# Altium PCB ETRX_Shield_III.PcbDoc (part 2 of 2)
Units mm, origin at the board's own origin, x right, y up, seen from the top; angles counter-clockwise.
Board outline 70 x 55 mm, 4 copper layers (Top Layer, GND1, PWR1, Bottom Layer), stack 1.306 mm thick; 113 components, 118 nets, 458 pads, 149 vias.
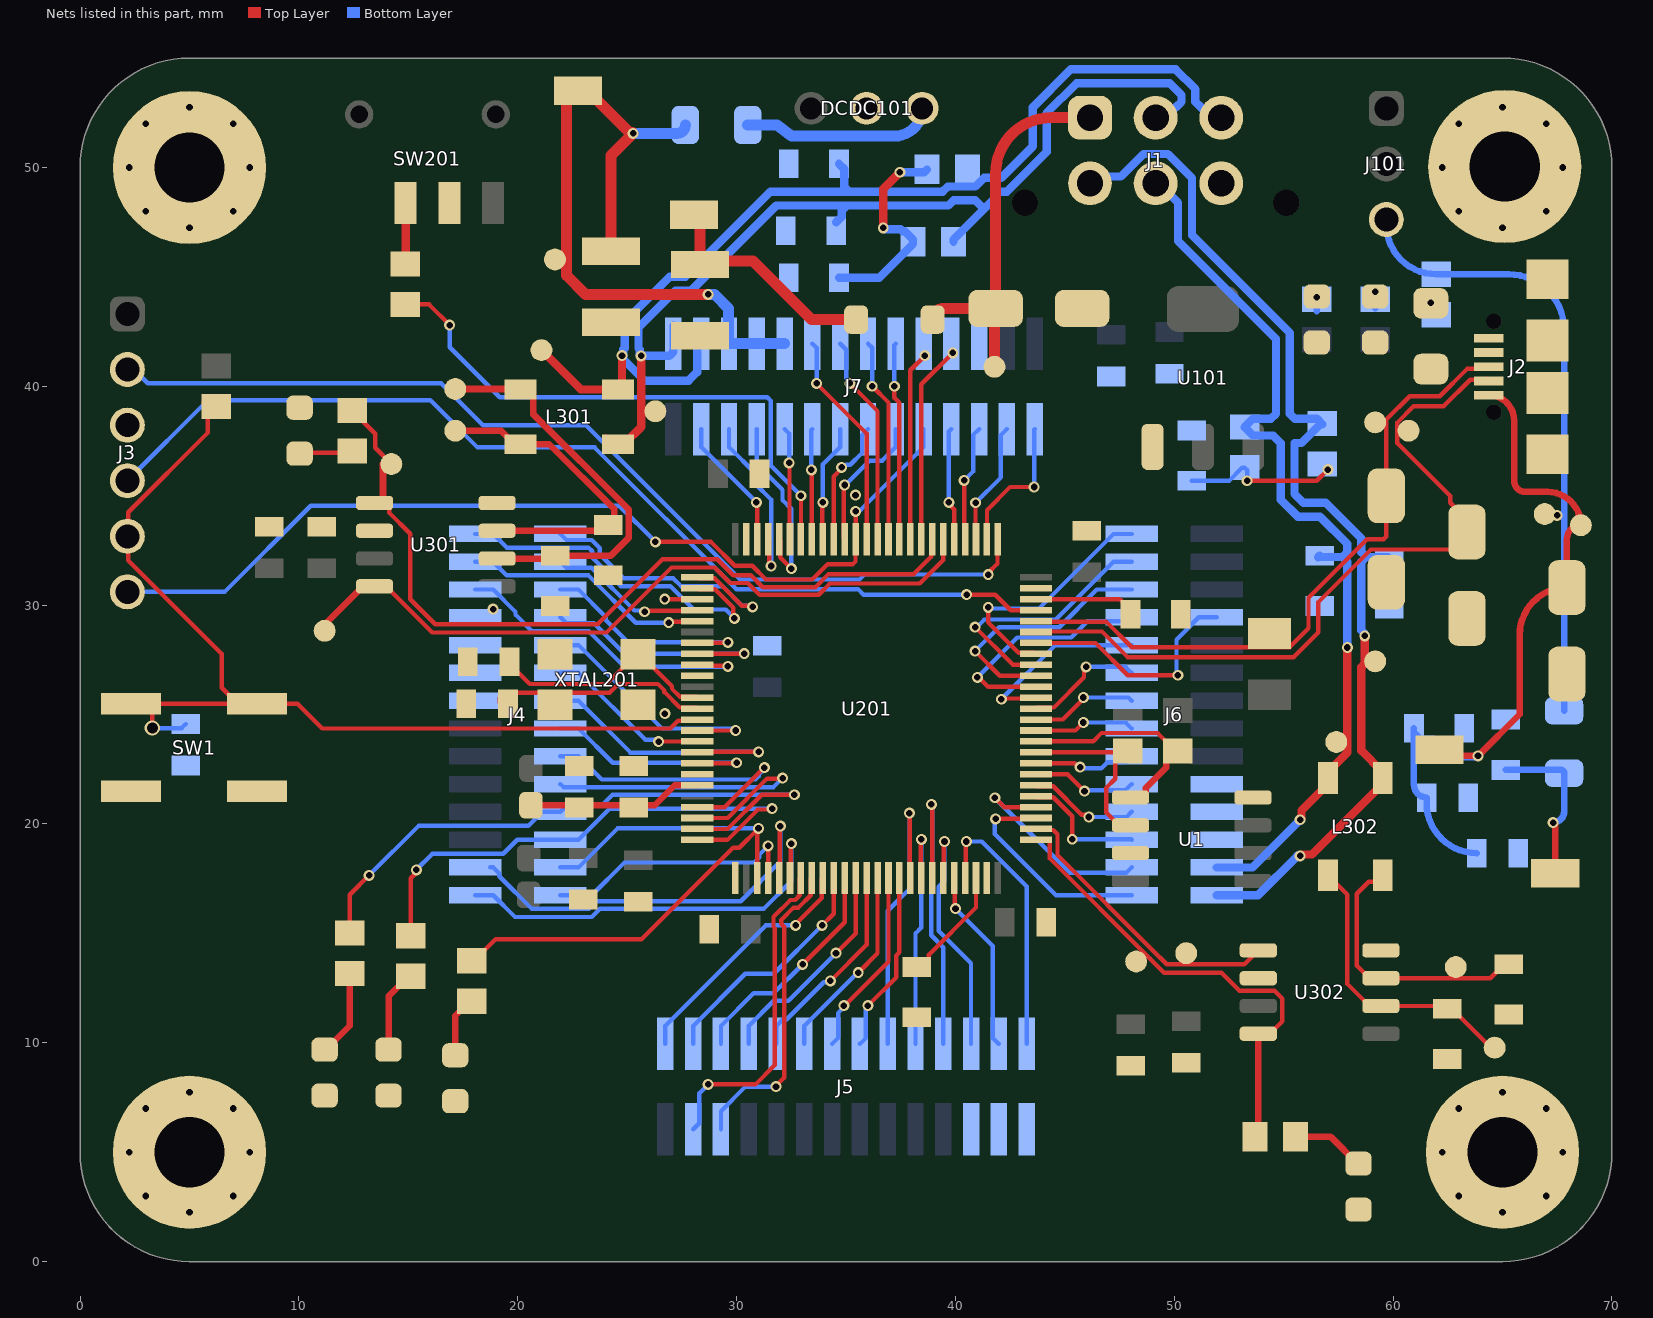
[diagram p4: the nets of this part, all layers, seen from the top]

## Via types
v1: diameter 0.5, hole 0.3, Top Layer to Bottom Layer, 148 vias
v2: diameter 0.7, hole 0.5, Top Layer to Bottom Layer, 1 vias

## Nets (pads, with @x,y where several pads share a name; then routed paths per layer and width w, separated by ;. In a path a pad name is that pad's centre, name@x,y a point inside that pad or via, vN(x,y) a via of type N, cw(c..) or ccw(c..) an arc to the next point about the centre after c; other vN are vias at no path point) (continued)
CAN1_H: C303.1 J1.2 J7.1 L301.4 R301.2 TP302.1 | length 45.4
  Top Layer w0.381: L301.4@24.042,37.618 24.302,37.358 L301.4@24.577,37.358 24.852,37.358 25.642,38.149 25.642,41.387 v1(25.634,41.396)
  Bottom Layer w0.381: J7.1@27.114,42.775 J7.1@27.114,41.95 27.114,41.58 26.93,41.396 v1(25.634,41.396) 25.573,41.457 25.573,41.682 25.517,41.738 25.517,42.682 27.21,44.375 27.928,44.375 31.813,48.261 35.034,48.261 ; C303.1@34.551,47.498 34.811,47.758 34.811,48.037 35.034,48.261 ; R301.2@39.914,46.609 39.914,46.709 41.306,48.101 ; J1.2@49.149,52.276 49.587,52.276 50.088,52.777 50.108,52.777 50.331,53 50.331,53.316 49.8,53.847 45.532,53.847 44.169,52.485 44.169,50.706 42.358,48.895 41.851,48.895 41.851,48.646 41.306,48.101 ; 35.034,48.261 39.678,48.261 39.916,48.498 40.91,48.498 41.306,48.101
CAN1_L: C304.1 J1.3 J7.3 L301.1 R302.2 TP304.1 | length 48.8
  Top Layer w0.381: TP304.1@21.138,41.656 TP304.1@21.082,41.656 22.88,39.858 L301.1@24.577,39.858 24.765,40.046 v1(24.765,41.402)
  Bottom Layer w0.381: J7.3@28.384,41.95 28.2,41.765 28.2,40.646 27.813,40.259 25.794,40.259 24.826,41.227 24.826,41.341 v1(24.765,41.402) 24.826,41.463 24.826,41.689 24.882,41.745 24.882,42.945 26.947,45.01 27.665,45.01 31.55,48.896 35.143,48.896 ; C304.1@34.678,50.165 34.92,49.923 34.92,49.119 35.143,48.896 ; J1.3@52.149,52.276 51.711,52.276 51.21,52.777 51.19,52.777 50.966,53 50.966,53.579 50.063,54.482 45.269,54.482 43.534,52.748 43.534,50.969 42.095,49.53 41.306,49.53 40.91,49.133 39.653,49.133 39.415,48.896 35.143,48.896
CAN1_RX: TP310.1 U201.81 U301.4 | length 33.5
  Top Layer w0.2: U301.4@13.981,30.861 16.091,28.751 24.053,28.751 27.025,31.723 28.998,31.723 29.708,31.013 30.511,31.013 31.05,30.473 33.749,30.473 34.264,30.988 38.366,30.988 39.441,32.063 U201.81@39.441,33.011
  Top Layer w0.3: TP310.1@11.176,28.829 11.31,28.963 11.31,29.24 12.931,30.861 U301.4@13.456,30.861 U301.4@13.981,30.861
CAN1_TX: R305.1 TP309.1 U201.82 U301.1 | length 37.9
  Top Layer w0.2: R305.1@12.319,38.898 12.419,38.898 13.482,37.835 13.482,37.191 TP309.1@14.224,36.449 ; U301.1@13.669,34.671 13.901,34.671 14.121,34.451 14.121,34.232 15.085,33.268 15.085,30.27 16.228,29.126 23.642,29.126 26.614,32.098 29.118,32.098 29.853,31.363 30.656,31.363 31.195,30.823 33.604,30.823 34.202,31.421 38.092,31.421 38.891,32.22 38.891,32.961 U201.82@38.941,33.011
  Top Layer w0.3: U301.1@13.456,34.671 13.669,34.671 13.843,34.845 TP309.1@13.843,36.461
CAN2_H: C308.1 J1.4 J6.27 L302.4 R303.2 TP306.1 | length 50.5
  Top Layer w0.381: v1(55.753,18.542) 55.814,18.603 56.298,18.603 59.523,21.828 L302.4@59.523,22.103 59.523,22.378 58.547,23.354 58.547,27.178 58.706,27.337 v1(58.706,28.596)
  Bottom Layer w0.381: J1.4@46.149,49.276 46.459,49.586 47.563,49.586 48.594,50.617 49.704,50.617 50.808,49.512 50.808,46.908 55.282,42.434 55.282,38.744 55.505,38.52 56.511,38.52 56.769,38.263 56.669,38.263 55.814,37.408 55.499,37.408 55.499,35.086 55.908,34.677 56.925,34.677 58.547,33.055 58.547,32.425 58.77,32.202 ; J6.27@51.95,16.745 53.829,16.745 55.626,18.542 v1(55.753,18.542) ; v1(58.706,28.596) 58.706,28.682 58.547,28.841 58.547,31.978 58.77,32.202 ; C308.1@59.817,32.138 59.753,32.202 58.77,32.202
CAN2_L: C309.1 J1.5 J6.25 L302.1 R304.2 TP308.1 | length 42.6
  Top Layer w0.3: L302.1@57.023,21.828 L302.1@57.023,22.103
  Top Layer w0.381: v1(55.753,20.193) 55.814,20.254 55.814,20.619 L302.1@57.023,21.828 ; L302.1@57.023,22.103 57.023,22.378 57.912,23.267 57.912,27.178 v1(57.912,28.067)
  Bottom Layer w0.381: J1.5@49.149,49.276 49.291,49.276 50.173,48.394 50.173,46.645 54.647,42.171 54.647,38.744 54.424,38.52 53.598,38.52 R304.2@53.213,38.136 53.598,37.751 54.521,37.751 54.864,37.408 54.864,34.823 55.645,34.042 56.662,34.042 57.912,32.792 57.912,32.425 57.689,32.202 ; J6.25@51.95,18.015 53.575,18.015 v1(55.753,20.193) ; C309.1@56.566,32.189 C309.1@56.642,32.265 56.706,32.202 57.689,32.202 ; v1(57.912,28.067) 57.912,31.978 57.689,32.202
CAN2_RX: R306.1 TP312.1 U201.51 U302.4 | length 21.9
  Top Layer w0.2: U201.51@43.679,19.273 44.267,19.273 44.317,19.223 44.317,18.421 48.895,13.843 49.536,13.202 52.161,13.202 52.984,12.379 54.58,12.379 54.942,12.017 54.942,10.989 54.367,10.414 U302.4@53.842,10.414 ; TP312.1@48.26,13.635 TP312.1@48.26,13.716
  Top Layer w0.3: R306.1@53.685,5.715 53.842,5.872 U302.4@53.842,10.414
CAN2_TX: TP311.1 U201.52 U302.1 | length 13.5
  Top Layer w0.2: U201.52@43.679,19.773 43.729,19.723 44.47,19.723 44.667,19.527 44.667,18.58 49.149,14.097 49.476,13.77 49.657,13.589 53.207,13.589 U302.1@53.842,14.224
GND: C2.2 C101.2 C102.2 C104.2 C105.1 C106.2 C107.2 C108.2 C109.2 C201.2 C202.2 C203.1 C204.1 C205.2 C206.2 C207.2 C208.2 C209.2 C225.2 C226.2 C227.2 C228.2 C301.2 C302.1 C303.2 C304.2 C305.1 C306.2 C307.1 C308.2 C309.2 C310.1 C311.2 C312.2 C313.2 C314.2 D101.1 D103.K D104.K D105.K D106.2 D201.2 D202.2 D205.K D206.K D207.K D301.K D302.K DCDC101.2 J1.6 J2.4 J2.5 J2.Shell J3.3 J4.15 J4.17 J4.19 J4.21 J5.24 J5.26 J5.28 J6.19 J6.21 J6.23 J7.23 MH1.1 MH2.1 MH3.1 MH4.1 SW1.B1 SW1.B2 SW201.L2 U1.4 U1.7 U101.1 U201.10 U201.19 U201.26 U201.49 U201.74 U201.99 U301.2 U301.8 U302.2 U302.8 XTAL201.2 XTAL201.4 | length 0.2
  Top Layer w0.3: C207.2@31.05,35.8 C207.2@31.05,36
  other v1: 5,2.25 65,2.25 3,3 7,3 63,3 67,3 2.25,5 7.75,5 62.25,5 67.75,5 3,7 7,7 63,7 67,7 5,7.75 65,7.75 26.721,25.044 18.872,29.82 35.433,35.027 5,47.25 65,47.25 3,48 7,48 63,48 67,48 2.25,50 7.75,50 62.25,50 67.75,50 3,52 7,52 63,52 67,52 5,52.75 65,52.75
LED_PA2: J4.8 R210.2 U201.24 | length 29
  Top Layer w0.2: R210.2@12.319,15.022 12.319,16.764 v1(13.208,17.653) ; U201.24@28.203,19.773 29.586,19.773 31.149,21.336 v1(32.639,21.336)
  Bottom Layer w0.2: v1(13.208,17.653) 15.469,19.914 20.484,19.914 21.125,20.555 J4.8@21.95,20.555 22.225,20.83 23.825,20.83 24.331,21.336 v1(32.639,21.336)
LED_PA3: J4.6 R208.2 U201.25 | length 24.5
  Top Layer w0.2: R208.2@15.113,14.895 15.113,17.518 15.367,17.772 v1(15.367,17.907) ; U201.25@28.203,19.273 29.581,19.273 30.973,20.665 31.587,20.665 v1(31.623,20.701)
  Bottom Layer w0.2: v1(15.367,17.907) 16.1,18.64 19.334,18.64 19.979,19.285 22.775,19.285 24.191,20.701 v1(31.623,20.701)
LED_PA4: J4.4 R207.2 U201.28 | length 27.7
  Top Layer w0.2: R207.2@17.907,13.752 18.007,13.752 18.987,14.732 25.654,14.732 29.841,18.919 30.119,18.919 v1(31,19.8) 31,19.719 30.941,19.66 U201.28@30.941,17.535
  Bottom Layer w0.2: J4.4@21.95,18.015 22.775,18.015 24.56,19.8 v1(31,19.8)
"LV tr": C102.1 F101.1 J7.5 J7.7 J7.9 L101.2 TP102.1 | length 33
  Top Layer w0.5: C102.1@24.257,45.821 24.257,50.546 v1(25.273,51.562) 25.235,51.6 25.111,51.6 23.207,53.505 L101.2@22.757,53.505 ccw(c22.757,52.973) 22.225,52.973 22.225,45.075 23.1,44.2 v1(28.7,44.2)
  Bottom Layer w0.5: v1(25.273,51.562) 27.277,51.562 ccw(c27.277,51.943) F101.1@27.658,51.943 ; v1(28.7,44.2) 29,44.2 29.634,43.566 29.634,41.97 J7.5@29.654,41.95 29.9,41.95 J7.7@30.924,41.95 J7.9@32.194,41.95
"LV+ in": D101.2 D102.A J1.1 TP101.1 | length 17.8
  Top Layer w0.5: D102.A@38.961,43.053 cw(c39.469,43.053) 39.469,43.561 D101.2@41.84,43.561 ; TP101.1@41.783,40.894 41.783,43.504 cw(c41.84,43.504) D101.2@41.84,43.561 ; J1.1@46.149,52.276 44.38,52.276 ccw(c44.38,49.736) 41.84,49.736 D101.2@41.84,43.561
NetC101_1: C101.1 D102.K L101.1 | length 11.1
  Top Layer w0.5: L101.1@27.432,47.848 L101.1@28.05,47.848 28.321,47.577 28.321,45.72 30.758,45.72 33.425,43.053 D102.K@35.461,43.053
NetC109_1: C109.1 F102.1 L102.2 | length 7.7
  Top Layer w0.3: v1(67.31,20.066) cw(c67.31,19.963) 67.413,19.963 L102.2@67.413,17.742
  Bottom Layer w0.3: C109.1@65.151,22.472 67.67,22.472 cw(c67.67,22.324) F102.1@67.818,22.324 67.818,20.574 cw(c67.31,20.574) v1(67.31,20.066)
NetC201_1: C201.1 U201.73 | length 4.7
  Top Layer w0.2: U201.73@43.679,30.273 47.517,30.273 47.999,29.791 C201.1@47.999,29.591
NetC202_1: C202.1 U201.48 | length 5.3
  Top Layer w0.2: C202.1@38.227,13.469 38.427,13.469 38.777,13.819 38.777,14.019 40.941,16.183 U201.48@40.941,17.535
NetC301_1: C301.1 L301.3 TP301.1 U301.7 | length 14.8
  Top Layer w0.3: TP301.1@17.145,37.973 19.237,37.973 19.852,37.358 L301.3@20.127,37.358 21.443,37.358 24.415,34.386 24.415,33.947 24.03,33.562 23.869,33.401 U301.7@19.056,33.401
NetC302_2: C302.2 L301.2 TP303.1 U301.6 | length 18.4
  Top Layer w0.3: TP303.1@17.145,39.878 20.107,39.878 L301.2@20.127,39.858 20.402,39.858 20.702,39.558 20.702,38.735 25.08,34.357 25.08,33.088 24.257,32.265 C302.2@21.717,32.265 21.583,32.131 U301.6@19.056,32.131
NetC305_2: C305.2 R301.1 R302.1 | length 10
  Top Layer w0.381: v1(36.703,47.244) 36.703,49.022 v1(37.465,49.784)
  Bottom Layer w0.381: C305.2@34.678,44.958 36.513,44.958 38.064,46.509 38.064,46.709 37.68,47.093 37.58,47.093 37.49,47.183 36.764,47.183 v1(36.703,47.244) ; v1(37.465,49.784) 38.572,49.784 R302.1@38.699,49.911
NetC306_1: C306.1 L302.3 TP305.1 U302.7 | length 12.6
  Top Layer w0.2: L302.3@59.523,17.653 59.231,17.361 58.89,17.361 58.342,16.813 58.342,13.529 58.917,12.954 U302.7@59.442,12.954 64.436,12.954 65.078,13.596 C306.1@65.278,13.596 C306.1@65.525,13.843
NetC307_2: C307.2 L302.2 TP307.1 U302.6 | length 12.7
  Top Layer w0.2: L302.2@57.023,17.653 57.912,16.764 57.912,12.689 58.917,11.684 U302.6@59.442,11.684 62.364,11.684 C307.2@62.484,11.564 62.684,11.564 TP307.1@64.215,10.033
NetC310_2: C310.2 R303.1 R304.1 | length 7.2
  Top Layer w0.2: v1(53.331,35.686) 56.514,35.686 v1(57.023,36.195)
  Bottom Layer w0.2: C310.2@50.8,35.68 52.507,35.68 53.113,36.286 R304.1@53.213,36.286 53.331,36.168 v1(53.331,35.686)
NetD103_A: D103.A R101.2 | length 0.5
  Bottom Layer w0.3: R101.2@56.515,43.434 R101.2@56.515,43.978
  other v1: 56.515,44.069
NetD104_A: D104.A R102.2 | length 0.4
  Bottom Layer w0.3: R102.2@59.182,43.561 R102.2@59.182,43.978
  other v1: 59.182,44.323
NetD105_A: D105.A R103.1 | length 0.5
  Bottom Layer w0.3: R103.1@61.976,43.271 R103.1@61.976,43.815
  other v1: 61.722,43.815
NetD205_A: D205.A R207.1 | length 2.8
  Top Layer w0.3: D205.A@17.145,9.432 17.145,11.24 17.807,11.902 R207.1@17.907,11.902
NetD206_A: D206.A R208.1 | length 3.8
  Top Layer w0.3: D206.A@14.097,9.686 14.097,12.129 15.013,13.045 R208.1@15.113,13.045
NetD207_A: D207.A R210.1 | length 4
  Top Layer w0.3: D207.A@11.176,9.686 11.226,9.686 12.319,10.779 R210.1@12.319,13.172
NetD301_A: D301.A R305.2 | length 2.5
  Top Layer w0.2: D301.A@9.906,36.957 12.228,36.957 R305.2@12.319,37.048
NetD302_A: D302.A R306.2 | length 3.4
  Top Layer w0.3: R306.2@55.535,5.715 57.134,5.715 58.37,4.479 D302.A@58.42,4.479
NetDCDC101_1: DCDC101.1 F101.2 | length 8.9
  Bottom Layer w0.5: F101.2@30.508,51.943 31.844,51.943 32.512,51.435 32.68,51.435 37.211,51.435 ccw(c37.211,52.705) DCDC101.1@38.481,52.705
NetR209_1: R209.1 SW201.COM | length 2.8
  Top Layer w0.381: R209.1@14.859,45.593 14.875,45.609 SW201.COM@14.875,48.377
NetR209_2: R209.2 U201.94 | length 26
  Top Layer w0.2: R209.2@14.859,43.743 15.947,43.743 v1(16.891,42.799) ; U201.94@32.941,33.011 v1(32.941,35)
  Bottom Layer w0.2: v1(16.891,42.799) 16.891,41.783 19.174,39.5 31.403,39.5 31.569,39.334 31.569,36.372 v1(32.941,35)
NRST: C2.1 J3.5 R1.2 SW1.A1 SW1.A2 U201.14 | length 46.8
  Top Layer w0.2: SW1.A1@2.332,25.495 SW1.A1@2.902,25.495 ; v2(3.302,24.384) 3.302,25.095 SW1.A1@2.902,25.495 ; R1.2@5.648,39.201 R1.2@5.648,39.301 ; R1.2@6.223,39.08 5.842,38.699 5.842,37.885 2.204,34.247 2.204,33.192 J3.5@2.159,33.147 2.204,33.102 2.204,32.047 6.477,27.774 6.477,26.225 SW1.A2@7.207,25.495 ; U201.14@28.203,24.773 28.153,24.723 27.326,24.723 26.965,24.362 11.071,24.362 9.938,25.495 SW1.A2@8.082,25.495 SW1.A2@7.207,25.495 ; SW1.A1@2.902,25.495 SW1.A2@7.207,25.495
  Bottom Layer w0.2: v2(3.302,24.384) 4.638,24.384 C2.1@4.826,24.572
OSC_IN: C203.2 U201.12 XTAL201.1 | length 10.9
  Top Layer w0.2: C203.2@19.55,27.6 19.55,27.4 20.55,26.4 24.05,26.4 25.4,27.75 XTAL201.1@25.5,27.75 25.6,27.75 27.05,26.3 27.05,26.173 27.4,25.823 27.448,25.823 28.153,25.823 U201.12@28.203,25.773
  Top Layer w0.3: C203.2@19.819,27.407 C203.2@19.819,27.607
OSC_OUT: C204.2 U201.13 XTAL201.3 | length 10.3
  Top Layer w0.2: C204.2@19.55,25.5 19.55,25.65 19.9,26 21.15,26 XTAL201.3@21.7,25.45 22.25,26 24.196,26 24.596,26.4 26.404,26.4 26.7,26.103 26.7,26.028 27.405,25.323 28.153,25.323 U201.13@28.203,25.273
  Top Layer w0.3: C204.2@19.235,25.554 C204.2@19.235,25.754
PA0: J4.12 U201.22 | length 13.9
  Top Layer w0.2: U201.22@28.203,20.773 29.463,20.773 v1(31.266,22.576)
  Bottom Layer w0.2: J4.12@21.95,23.095 22.775,23.095 23.834,22.036 30.865,22.036 31.006,22.177 31.006,22.235 31.266,22.495 v1(31.266,22.576)
PA1: J4.10 U201.23 | length 15
  Top Layer w0.2: U201.23@28.203,20.273 29.591,20.273 31.395,22.076 32.076,22.076 v1(32.1,22.1)
  Bottom Layer w0.2: J4.10@21.95,21.825 22.089,21.686 31.686,21.686 v1(32.1,22.1)
PA5: J4.2 U201.29 | length 12
  Top Layer w0.2: U201.29@31.441,17.535 v1(31.441,19)
  Bottom Layer w0.2: J4.2@21.95,16.745 23.384,16.745 24.877,18.239 30.812,18.239 31.047,18.474 31.047,18.606 v1(31.441,19)
PA6: J4.3 U201.30 | length 19
  Top Layer w0.2: U201.30@31.941,17.535 31.97,17.564 31.97,19.871 v1(32,19.9)
  Bottom Layer w0.2: J4.3@18.751,18.015 18.875,18.015 19.15,17.74 19.15,17.616 20.646,16.12 23.254,16.12 23.604,16.47 30.186,16.47 32,18.284 v1(32,19.9)
PA7: J4.1 U201.31 | length 18.8
  Top Layer w0.2: U201.31@32.441,17.535 32.471,17.565 32.471,19.071 v1(32.5,19.1)
  Bottom Layer w0.2: J4.1@18.05,16.745 18.875,16.745 19.872,15.748 23.377,15.748 23.749,16.12 31.233,16.12 32.5,17.387 v1(32.5,19.1)
PA8: J6.4 U201.67 | length 11.9
  Top Layer w0.2: v1(40.9,29) 42.627,27.273 U201.67@43.679,27.273
  Bottom Layer w0.2: v1(40.9,29) 40.981,29 41.326,29.345 44.585,29.345 47.225,31.985 J6.4@48.05,31.985
PA9: J6.2 U201.68 | length 11.4
  Top Layer w0.2: v1(41.5,29.9) 41.5,29.211 42.888,27.823 43.629,27.823 U201.68@43.679,27.773
  Bottom Layer w0.2: v1(41.5,29.9) 41.555,29.845 43.815,29.845 47.225,33.255 J6.2@48.05,33.255
PA10: J6.7 U201.69 | length 11
  Top Layer w0.2: U201.69@43.679,28.273 46.403,28.273 47.879,26.797 v1(50.165,26.797)
  Bottom Layer w0.2: v1(50.165,26.797) 50.102,26.86 50.102,28.422 51.125,29.445 J6.7@51.95,29.445
PA15: J7.28 U201.77 | length 6.6
  Top Layer w0.2: U201.77@41.441,33.011 41.441,34.341 42.5,35.4 v1(43.6,35.4)
  Bottom Layer w0.2: v1(43.6,35.4) 43.6,38.026 J7.28@43.624,38.05
PB0: J5.1 U201.34 | length 11.4
  Top Layer w0.2: v1(32.7,15.367) 32.7,15.428 33.891,16.619 33.891,17.485 U201.34@33.941,17.535
  Bottom Layer w0.2: J5.1@26.745,9.95 26.745,10.775 31.337,15.367 v1(32.7,15.367)
PB1: J5.3 U201.35 | length 11
  Top Layer w0.2: v1(33.909,15.367) 34.441,15.899 U201.35@34.441,17.535
  Bottom Layer w0.2: J5.3@28.015,9.95 28.015,10.775 30.401,13.161 31.703,13.161 v1(33.909,15.367)
PB2: J5.5 U201.36 | length 10.5
  Top Layer w0.2: v1(33.02,13.589) 34.941,15.51 U201.36@34.941,17.535
  Bottom Layer w0.2: J5.5@29.285,9.95 29.285,10.775 30.782,12.272 31.703,12.272 v1(33.02,13.589)
PB3: J3.6 J7.20 U201.89 | length 44.1
  Top Layer w0.2: v1(26.289,32.893) 28.829,32.893 28.829,32.882 29.911,31.8 30.714,31.8 31.34,31.173 33.459,31.173 34.163,31.877 35.316,31.877 35.433,31.994 35.433,33.003 U201.89@35.441,33.011 v1(35.441,34.29)
  Bottom Layer w0.2: J3.6@2.159,30.607 6.604,30.607 10.541,34.544 24.638,34.544 v1(26.289,32.893) ; v1(35.441,34.29) 35.498,34.347 35.667,34.347 38.544,37.225 J7.20@38.544,38.05
PB4: J7.18 U201.90 | length 6.4
  Top Layer w0.2: U201.90@34.941,33.011 34.9,33.052 34.9,35.449 v1(34.941,35.49)
  Bottom Layer w0.2: v1(34.941,35.49) 34.968,35.49 36.078,36.6 36.649,36.6 37.274,37.225 J7.18@37.274,38.05
PB5: J7.16 U201.91 | length 5.9
  Top Layer w0.2: U201.91@34.441,33.011 34.441,35.881 34.8,36.24 v1(34.8,36.3)
  Bottom Layer w0.2: v1(34.8,36.3) 34.881,36.3 34.997,36.415 35.195,36.415 35.729,36.95 35.729,37.775 J7.16@36.004,38.05
PB6: J7.14 U201.92 | length 5.4
  Top Layer w0.2: U201.92@33.941,33.011 33.921,33.031 33.921,34.68 v1(33.941,34.7)
  Bottom Layer w0.2: v1(33.941,34.7) 33.941,36.432 34.734,37.225 J7.14@34.734,38.05
PB7: J7.12 U201.93 | length 5.1
  Top Layer w0.2: v1(33.415,36.181) 33.415,35.997 33.441,35.971 U201.93@33.441,33.011
  Bottom Layer w0.2: v1(33.415,36.181) 33.415,38.001 J7.12@33.464,38.05
PB8: J7.10 U201.95 | length 5.1
  Top Layer w0.2: v1(32.4,36.5) 32.421,36.48 32.421,33.031 U201.95@32.441,33.011
  Bottom Layer w0.2: J7.10@32.194,38.05 32.4,37.844 v1(32.4,36.5)
PB9: J7.8 U201.96 | length 8.6
  Top Layer w0.2: U201.96@31.941,33.011 31.991,32.961 31.991,32.182 v1(32.5,31.673)
  Bottom Layer w0.2: J7.8@30.924,38.05 30.924,36.45 32.1,35.274 32.1,34.802 32.5,34.402 v1(32.5,31.673)
PB10: J5.25 U201.46 | length 8.4
  Top Layer w0.2: U201.46@39.941,17.535 39.973,17.503 39.973,16.161 v1(40.005,16.129)
  Bottom Layer w0.2: v1(40.005,16.129) 41.71,14.424 41.71,10.225 J5.25@41.985,9.95
PB11: J5.27 U201.47 | length 12.5
  Top Layer w0.2: U201.47@40.441,17.535 40.471,17.564 40.471,19.171 v1(40.5,19.2)
  Bottom Layer w0.2: v1(40.5,19.2) 41.2,19.2 43.255,17.145 J5.27@43.255,9.95
PB14: J6.28 U201.53 | length 10
  Top Layer w0.2: v1(41.837,20.237) 43.643,20.237 U201.53@43.679,20.273
  Bottom Layer w0.2: v1(41.837,20.237) 41.8,20.2 41.8,19.541 44.596,16.745 J6.28@48.05,16.745
PB15: J6.26 U201.54 | length 9.8
  Top Layer w0.2: v1(41.8,21.2) 42.227,20.773 U201.54@43.679,20.773
  Bottom Layer w0.2: v1(41.8,21.2) 45.22,17.78 47.815,17.78 J6.26@48.05,18.015
PC0: J4.20 U201.15 | length 11.4
  Top Layer w0.2: U201.15@28.203,24.273 v1(29.956,24.273)
  Bottom Layer w0.2: J4.20@21.95,28.175 22.775,28.175 26.588,24.362 29.867,24.362 v1(29.956,24.273)
PC1: J4.18 U201.16 | length 7.6
  Top Layer w0.2: v1@26.429,23.762 v1(26.44,23.762) 26.446,23.768 28.198,23.768 U201.16@28.203,23.773
  Bottom Layer w0.2: J4.18@21.95,26.905 22.775,26.905 25.822,23.858 26.344,23.858 v1(26.44,23.762)
PC2: J4.16 U201.17 | length 12.5
  Top Layer w0.2: U201.17@28.203,23.273 28.23,23.3 31.009,23.3 v1(31.011,23.298)
  Bottom Layer w0.2: J4.16@22.363,25.635 22.775,25.635 25.148,23.262 27.991,23.262 28.029,23.3 31.009,23.3 v1(31.011,23.298)
PC3: J4.14 U201.18 | length 10.5
  Top Layer w0.2: U201.18@28.203,22.773 29.973,22.773 v1(30,22.8)
  Bottom Layer w0.2: J4.14@21.95,24.365 22.775,24.365 24.34,22.8 v1(30,22.8)
PC4: J5.4 U201.32 | length 15
  Top Layer w0.2: v1(28.7,8.1) 30.861,8.1 31.749,8.988 31.749,15.233 31.689,15.293 31.689,15.76 32.458,16.53 32.677,16.53 32.891,16.744 32.891,17.485 U201.32@32.941,17.535
  Bottom Layer w0.2: J5.4@28.015,6.05 28.29,6.325 28.29,7.69 v1(28.7,8.1)
PC5: J5.6 U201.33 | length 14.3
  Top Layer w0.2: v1(31.8,8) 31.8,8.034 32.172,8.406 32.172,15.305 32.039,15.438 32.039,15.616 32.603,16.18 32.827,16.18 33.391,16.744 33.391,17.485 U201.33@33.441,17.535
  Bottom Layer w0.2: J5.6@29.285,6.05 29.285,6.875 30.411,8.001 31.799,8.001 v1(31.8,8)
PC6: J6.12 U201.63 | length 5.5
  Top Layer w0.2: U201.63@43.679,25.273 43.729,25.323 44.5,25.323 45.878,26.701 45.878,27.082 v1(45.974,27.178)
  Bottom Layer w0.2: v1(45.974,27.178) 47.777,27.178 J6.12@48.05,26.905
PC7: J6.10 U201.64 | length 8.6
  Top Layer w0.2: v1(42.1,25.7) 42.136,25.736 43.643,25.736 U201.64@43.679,25.773
  Bottom Layer w0.2: v1(42.1,25.7) 44.575,28.175 J6.10@48.05,28.175
PC8: J6.8 U201.65 | length 11
  Top Layer w0.2: v1(41,26.7) 41.065,26.7 41.492,26.273 U201.65@43.679,26.273
  Bottom Layer w0.2: v1(41,26.7) 42.825,28.525 45.289,28.525 46.032,29.268 47.873,29.268 J6.8@48.05,29.445
PC9: J6.6 U201.66 | length 11.6
  Top Layer w0.2: v1(40.9,27.9) 42.027,26.773 U201.66@43.679,26.773
  Bottom Layer w0.2: v1(40.9,27.9) 41.995,28.995 44.743,28.995 46.463,30.715 J6.6@48.05,30.715
PC10: J7.26 U201.78 | length 5.6
  Top Layer w0.2: v1(40.92,34.679) 40.92,33.032 U201.78@40.941,33.011
  Bottom Layer w0.2: v1(40.92,34.679) 42.079,35.838 42.079,37.775 J7.26@42.354,38.05
PC11: J7.24 U201.79 | length 5.3
  Top Layer w0.2: v1(40.4,35.7) 40.4,33.052 U201.79@40.441,33.011
  Bottom Layer w0.2: v1(40.4,35.7) 40.809,36.109 40.809,37.775 J7.24@41.084,38.05
PC12: J7.22 U201.80 | length 5.2
  Top Layer w0.2: v1(39.7,34.7) 39.7,34.619 39.941,34.378 U201.80@39.941,33.011
  Bottom Layer w0.2: v1(39.7,34.7) 39.7,37.936 J7.22@39.814,38.05
PC13: J4.24 U201.7 | length 10.1
  Top Layer w0.2: U201.7@28.203,28.273 28.216,28.286 29.586,28.286 v1(29.6,28.3)
  Bottom Layer w0.2: J4.24@21.95,30.715 22.775,30.715 24.026,29.464 24.026,29.328 25.053,28.3 v1(29.6,28.3)
PC14: J4.22 U201.8 | length 11.2
  Top Layer w0.2: U201.8@28.203,27.773 28.21,27.78 30.343,27.78 v1(30.35,27.788)
  Bottom Layer w0.2: J4.22@21.95,29.445 22.225,29.17 23.483,29.17 24.865,27.788 v1(30.35,27.788)
PC15: J4.23 U201.9 | length 14.5
  Top Layer w0.2: U201.9@28.203,27.273 28.239,27.237 29.563,27.237 v1(29.6,27.2)
  Bottom Layer w0.2: J4.23@18.05,30.715 18.875,30.715 19.898,29.692 19.898,29.568 20.666,28.8 23.254,28.8 24.876,27.178 29.578,27.178 v1(29.6,27.2)
PD2: J7.21 U201.83 | length 9.1
  Top Layer w0.2: U201.83@38.441,33.011 38.441,40.092 v1(39.878,41.529)
PD3: J7.19 U201.84 | length 8.7
  Top Layer w0.2: U201.84@37.941,33.011 37.941,40.735 v1(38.608,41.402)
PD4: J7.17 U201.85 | length 9.1
  Top Layer w0.2: v1(37.211,40.005) 37.211,39.484 37.441,39.254 U201.85@37.441,33.011
  Bottom Layer w0.2: v1(37.211,40.005) 37.211,41.887 J7.17@37.274,41.95
PD5: J7.15 U201.86 | length 9.3
  Top Layer w0.2: v1(36.195,40.005) 36.941,39.259 U201.86@36.941,33.011
  Bottom Layer w0.2: J7.15@36.004,41.95 36.195,41.759 v1(36.195,40.005)
PD6: J7.13 U201.87 | length 9.6
  Top Layer w0.2: v1(35.179,40.132) 36.441,38.87 U201.87@36.441,33.011
  Bottom Layer w0.2: J7.13@34.734,41.95 35.009,41.675 35.009,40.383 35.179,40.213 v1(35.179,40.132)
PD7: J7.11 U201.88 | length 10
  Top Layer w0.2: v1(33.655,40.132) 35.941,37.846 U201.88@35.941,33.011
  Bottom Layer w0.2: J7.11@33.464,41.95 33.655,41.759 v1(33.655,40.132)
PD8: J6.24 U201.55 | length 5.8
  Top Layer w0.2: U201.55@43.679,21.273 43.729,21.223 44.47,21.223 45.339,20.354 v1(45.339,19.304)
  Bottom Layer w0.2: v1(45.339,19.304) 48.031,19.304 J6.24@48.05,19.285
PD9: J6.22 U201.56 | length 5.1
  Top Layer w0.2: U201.56@43.679,21.773 43.729,21.723 44.47,21.723 45.777,20.416 46.005,20.416 v1(46.101,20.32)
  Bottom Layer w0.2: v1(46.101,20.32) 47.815,20.32 J6.22@48.05,20.555
PD10: J6.20 U201.57 | length 4.8
  Top Layer w0.2: U201.57@43.679,22.273 45.127,22.273 v1(45.9,21.5)
  Bottom Layer w0.2: v1(45.9,21.5) 45.95,21.55 47.775,21.55 J6.20@48.05,21.825
PD11: J6.18 U201.58 | length 4.7
  Top Layer w0.2: U201.58@43.679,22.773 45.446,22.773 45.619,22.6 v1(45.7,22.6)
  Bottom Layer w0.2: v1(45.7,22.6) 45.757,22.543 46.673,22.543 46.95,22.82 47.775,22.82 J6.18@48.05,23.095
PD12: R3.2 U1.6 U201.59 | length 9.2
  Top Layer w0.2: U201.59@43.679,23.273 R3.2@47.72,23.273 ; R3.2@47.879,23.332 47.779,23.332 R3.2@47.72,23.273 ; U1.6@48,19.939 47.475,19.939 46.9,20.514 46.9,21.664 47.304,22.068 47.304,22.857 R3.2@47.72,23.273
  Top Layer w0.3: U1.6@48,19.939 U1.6@48.525,19.939
PD13: R2.2 U1.5 U201.60 | length 10.2
  Top Layer w0.2: U201.60@43.679,23.773 46.295,23.773 46.679,24.157 49.24,24.157 R2.2@50.065,23.332
  Top Layer w0.3: U1.5@48,21.209 48.514,21.209 48.688,21.383 48.688,21.637 49.64,22.589 49.64,22.907 R2.2@50.065,23.332
PD14: J6.16 U201.61 | length 4.6
  Top Layer w0.2: U201.61@43.679,24.273 45.482,24.273 v1(45.847,24.638)
  Bottom Layer w0.2: v1(45.847,24.638) 47.777,24.638 J6.16@48.05,24.365
PD15: J6.14 U201.62 | length 4.9
  Top Layer w0.2: U201.62@43.679,24.773 44.909,24.773 45.847,25.711 v1(45.847,25.781)
  Bottom Layer w0.2: v1(45.847,25.781) 47.904,25.781 J6.14@48.05,25.635
PE0: J7.6 U201.97 | length 8.3
  Top Layer w0.2: U201.97@31.441,33.011 31.491,32.961 31.491,31.876 v1(31.576,31.791)
  Bottom Layer w0.2: J7.6@29.654,38.05 29.654,37.225 30.878,36.001 30.878,35.529 31.576,34.831 v1(31.576,31.791)
PE1: J7.4 U201.98 | length 6.1
  Top Layer w0.2: v1(30.9,34.7) 30.941,34.659 U201.98@30.941,33.011
  Bottom Layer w0.2: J7.4@28.384,38.05 28.384,37.225 30.9,34.709 v1(30.9,34.7)
PE2: J4.28 U201.1 | length 13.4
  Top Layer w0.2: U201.1@28.203,31.273 28.253,31.223 29.003,31.223 30.247,29.979 30.677,29.979 v1(30.734,29.921)
  Bottom Layer w0.2: J4.28@21.95,33.255 22.225,32.98 23.379,32.98 23.75,32.609 23.75,32.328 24.855,31.223 27.11,31.223 27.46,30.873 29.353,30.873 30.247,29.979 30.677,29.979 v1(30.734,29.921)
PE3: J4.27 U201.2 | length 16.1
  Top Layer w0.2: U201.2@28.203,30.773 28.253,30.723 29.008,30.723 29.843,29.888 29.843,29.457 v1(29.9,29.4)
  Bottom Layer w0.2: J4.27@18.05,33.255 18.875,33.255 19.5,32.63 23.234,32.63 23.4,32.464 23.4,32.183 24.71,30.873 26.966,30.873 28.039,29.8 29.5,29.8 v1(29.9,29.4)
PE4: U201.3 | length 1.5
  Top Layer w0.2: v1(26.717,30.273) U201.3@28.203,30.273
PE5: J4.26 U201.4 | length 7.2
  Top Layer w0.2: v1(25.8,29.7) 25.836,29.736 28.166,29.736 U201.4@28.203,29.773
  Bottom Layer w0.2: J4.26@21.95,31.985 22.225,31.71 23.379,31.71 25.331,29.757 25.743,29.757 v1(25.8,29.7)
PE6: J4.25 U201.5 | length 11.3
  Top Layer w0.2: v1(26.9,29.2) 26.936,29.236 28.166,29.236 U201.5@28.203,29.273
  Bottom Layer w0.2: J4.25@18.05,31.985 18.875,31.985 19.5,31.36 23.234,31.36 25.394,29.2 v1(26.9,29.2)
PE7: J5.7 U201.37 | length 10
  Top Layer w0.2: v1(34.544,14.097) 35.441,14.994 U201.37@35.441,17.535
  Bottom Layer w0.2: J5.7@30.555,9.95 30.555,10.775 31.702,11.922 32.369,11.922 v1(34.544,14.097)
PE8: J5.9 U201.38 | length 9.5
  Top Layer w0.2: v1(34.29,12.827) 35.941,14.478 U201.38@35.941,17.535
  Bottom Layer w0.2: J5.9@31.825,9.95 31.825,10.775 32.1,11.05 32.266,11.05 33.986,12.77 34.233,12.77 v1(34.29,12.827)
PE9: J5.11 U201.39 | length 9
  Top Layer w0.2: v1(35.56,13.208) 36.441,14.089 U201.39@36.441,17.535
  Bottom Layer w0.2: J5.11@33.095,9.95 33.095,10.775 35.528,13.208 v1(35.56,13.208)
PE10: J5.13 U201.40 | length 8.7
  Top Layer w0.2: v1(34.9,11.7) 34.941,11.7 36.941,13.7 U201.40@36.941,17.535
  Bottom Layer w0.2: J5.13@34.365,9.95 34.64,10.225 34.64,11.359 34.9,11.619 v1(34.9,11.7)
PE11: J5.15 U201.41 | length 8.3
  Top Layer w0.2: v1(36,11.7) 37.291,12.991 37.291,13.987 37.441,14.137 U201.41@37.441,17.535
  Bottom Layer w0.2: J5.15@35.635,9.95 35.91,10.225 35.91,11.529 36,11.619 v1(36,11.7)
PE12: J5.17 U201.42 | length 13.9
  Top Layer w0.2: v1(37.9,20.5) 37.921,20.479 37.921,17.555 U201.42@37.941,17.535
  Bottom Layer w0.2: J5.17@36.905,9.95 36.905,16.037 37.9,17.032 v1(37.9,20.5)
PE13: J5.19 U201.43 | length 11.2
  Top Layer w0.2: U201.43@38.441,17.535 38.42,17.555 38.42,19.279 v1(38.441,19.3)
  Bottom Layer w0.2: J5.19@38.175,9.95 38.175,15.001 38.441,15.267 v1(38.441,19.3)
PE14: J5.21 U201.44 | length 14.6
  Top Layer w0.2: v1(38.9,20.9) 38.941,20.859 U201.44@38.941,17.535
  Bottom Layer w0.2: v1(38.9,20.9) 38.941,20.859 38.941,17.861 38.893,17.813 38.893,14.912 39.445,14.36 J5.21@39.445,9.95
PE15: J5.23 U201.45 | length 11.7
  Top Layer w0.2: U201.45@39.441,17.535 39.471,17.564 39.471,19.171 v1(39.5,19.2)
  Bottom Layer w0.2: v1(39.5,19.2) 39.5,17.397 39.243,17.14 39.243,15.113 40.715,13.641 J5.23@40.715,9.95
SWCLK: J3.2 U201.76 | length 45.2
  Top Layer w0.2: v1(41.5,31.4) 41.5,31.478 41.921,31.899 41.921,32.991 U201.76@41.941,33.011
  Bottom Layer w0.2: J3.2@2.159,40.767 2.473,40.767 3.094,40.146 16.496,40.146 18.415,38.227 23.114,38.227 30.168,31.173 35.619,31.173 35.846,31.4 v1(41.5,31.4)
SWDIO: J3.4 U201.72 | length 47
  Top Layer w0.2: v1(40.513,30.48) 41.821,30.48 42.528,29.773 U201.72@43.679,29.773
  Bottom Layer w0.2: J3.4@2.159,35.687 5.842,39.37 16.002,39.37 18.161,37.211 23.51,37.211 29.987,30.734 35.547,30.734 35.801,30.48 v1(40.513,30.48)
USB5V: C106.1 C107.1 C108.1 D106.1 J2.1 L102.1 TP106.1 | length 34.3
  Top Layer w0.3: L102.1@62.12,23.399 63.07,23.114 v1(63.881,23.114) 65.786,25.019 65.786,28.645 cw(c67.945,28.645) D106.1@67.945,30.804 67.945,33.02 cw(c68.58,33.02) TP106.1@68.58,33.655 ccw(c67.056,33.655) 67.056,35.179 66.04,35.179 cw(c66.04,35.687) 65.532,35.687 65.532,38.443 ccw(c64.381,38.443) J2.1@64.381,39.594
  Bottom Layer w0.3: C108.1@60.953,24.384 C108.1@60.953,24.184 ; C106.1@63.82,18.669 cw(c63.82,20.955) 61.534,20.955 C107.1@61.534,21.209 cw(c61.534,21.79) 60.953,21.79 C108.1@60.953,24.184 ; v1(63.881,23.114) 63.827,23.06 62.677,23.06 61.853,23.884 61.253,23.884 C108.1@60.953,24.184
USB_5V: F102.2 J101.3 R103.2 TP107.1 | length 28.5
  Bottom Layer w0.3: J101.3@59.69,47.625 59.69,47.407 ccw(c61.976,47.407) R103.2@61.976,45.121 65.278,45.121 cw(c65.278,42.581) 67.818,42.581 F102.2@67.818,25.174
  other v1: 67.5,34.1
USB_OTG_H: D201.1 J2.3 R203.1 TP201.1 U201.71 | length 30.4
  Top Layer w0.2: U201.71@43.679,29.273 43.702,29.25 46.886,29.25 48.054,28.082 55.27,28.082 56.134,28.946 56.134,30.336 58.818,33.02 59.573,33.02 59.69,33.137 D201.1@59.69,34.995 59.69,38.227 59.69,38.48 60.76,39.551 62.13,39.551 63.376,40.796 64.283,40.796 J2.3@64.381,40.894
USB_OTG_L: D202.1 J2.2 TP202.1 U201.70 | length 34.8
  Top Layer w0.2: U201.70@43.679,28.773 43.702,28.796 46.698,28.796 47.866,27.628 55.458,27.628 56.588,28.758 56.588,30.148 58.985,32.545 62.648,32.545 63.373,33.27 D202.1@63.373,33.344 63.373,33.92 62.611,34.682 62.611,34.991 60.198,37.404 60.198,38.346 60.948,39.097 62.318,39.097 63.523,40.302 64.243,40.302 64.283,40.342 J2.2@64.381,40.244
VREFA: C227.1 C228.1 L202.2 U201.20 | length 8
  Top Layer w0.3: L202.2@20.6,20.86 26.26,20.86 27.173,21.773 U201.20@28.203,21.773
pads on no net: J1.7 J2.MH1 J2.MH2 J4.5 J4.13 J5.8 J5.10 J5.12 J5.18 J5.20 J5.22 J6.9 J6.11 SW201.MH1 SW201.MH2 U1.1 U1.2 U1.3 U301.5 U302.5

## Polygon pours and split planes (outlines as drawn)
+3.3 on PWR1 "+3.3_L03_P006" (solid, pour order 6): 0,5 0,50 cw(c5,50) 5,55 65,55 cw(c65,50) 70,50 70,5 cw(c65,5) 65,0 5,0 cw(c5,5)
+3.3 on PWR1 "+3.3_L03_P002" (solid, pour order 2): 0,5 0,50 cw(c5,50) 5,55 65,55 cw(c65,50) 70,50 70,5 cw(c65,5) 65,0 5,0 cw(c5,5)
GND on GND1 "GND_L02_P005" (solid, pour order 5): 0,5 0,50 cw(c5,50) 5,55 65,55 cw(c65,50) 70,50 70,5 cw(c65,5) 65,0 5,0 cw(c5,5)
GND on Bottom Layer "GND_L04_P007" (solid, pour order 7): 0,5 0,50 cw(c5,50) 5,55 65,55 cw(c65,50) 70,50 70,5 cw(c65,5) 65,0 5,0 cw(c5,5)
GND on Top Layer "GND_L01_P004" (solid, pour order 4): 0,5 0,50 cw(c5,50) 5,55 65,55 cw(c65,50) 70,50 70,5 cw(c65,5) 65,0 5,0 cw(c5,5)

## Other copper
PWR1:
  region net +3.3: 29.6,26.3 ccw(c29.9,26.3) 29.9,26 ccw(c29.9,26.3) 30.2,26.3 ccw(c29.9,26.3) 29.9,26.6 ccw(c29.9,26.3)

## Silkscreen, mask and mechanical layers (free items; w line width, h text height)
Top Overlay:
  drawing of 56 lines, arcs and shapes, not listed
  text "DCDC" at 56.642,53.465 h2 r270
  text "boot0" at 9.779,52.832 h2.5 r270
  text "0" at 14.351,52.832 h2.5
  text "1" at 16.639,52.832 h2.5
  text "USB" at 56.642,49.274 h2 r270
  text "STLink" at 4.701,44.704 h2.5
  text "1" at 4.701,42.926 h2.5
  text "10 years on" at 30.609,38.417 h2.5
  text "the charge" at 35.814,36.879 h2.5
  text "1." at 29.974,30.353 h2.5
  text "RST" at 4.447,27.432 h2.5
  text "User LEDs" at 19.812,13.206 h2.5 r270
  text "PA3" at 12.956,10.922 h2
  text "PA2" at 8.89,9.523 h2 r270
  text "PA4" at 18.415,9.269 h2 r270
  text "1   +3.3V" at 36.959,6.082 h1.5
  text "STLink" at 29.466,5.842 h2.5
  text "2   CLK" at 36.959,5.082 h1.5
  text "pinout" at 29.591,4.339 h2.5
  text "3   GND" at 36.959,4.082 h1.5
  text "4   DIO" at 36.958,3.082 h1.5
  text "ETR Shield III" at 9.147,2.921 h3
  text "5   NRST" at 36.959,2.082 h1.5
  text "6   SWO" at 36.959,1.082 h1.5
  text "Bernat Costa Cesari 2024" at 9.147,0.889 h3
Mechanical 1:
  the board outline again, w0.254

## Text inside footprints (layer, text, board x,y; h text height)
J2: Top Component Outline "PCB Edge" at 69.156,39.694 h1.5 r90
J4: Bottom Overlay "28" at 21.4,34.22 h1.5 r270; Bottom Overlay "27" at 17.6,34.22 h1.5 r270; Bottom Overlay "2" at 21.4,15.08 h1.5 r270; Bottom Overlay "1" at 17.6,15.48 h1.5 r270
J5: Bottom Overlay "28" at 44.22,6.6 h1.5 r180; Bottom Overlay "27" at 44.22,10.4 h1.5 r180; Bottom Overlay "2" at 25.08,6.6 h1.5 r180; Bottom Overlay "1" at 25.48,10.4 h1.5 r180
J6: Bottom Overlay "28" at 48.6,15.78 h1.5 r90; Bottom Overlay "27" at 52.4,15.78 h1.5 r90; Bottom Overlay "2" at 48.6,34.92 h1.5 r90; Bottom Overlay "1" at 52.4,34.52 h1.5 r90
J7: Bottom Overlay "28" at 44.589,38.6 h1.5 r180; Bottom Overlay "27" at 44.589,42.4 h1.5 r180; Bottom Overlay "2" at 25.449,38.6 h1.5 r180; Bottom Overlay "1" at 25.849,42.4 h1.5 r180